# Allegro board Notecarrier-Pi PCB v4.brd
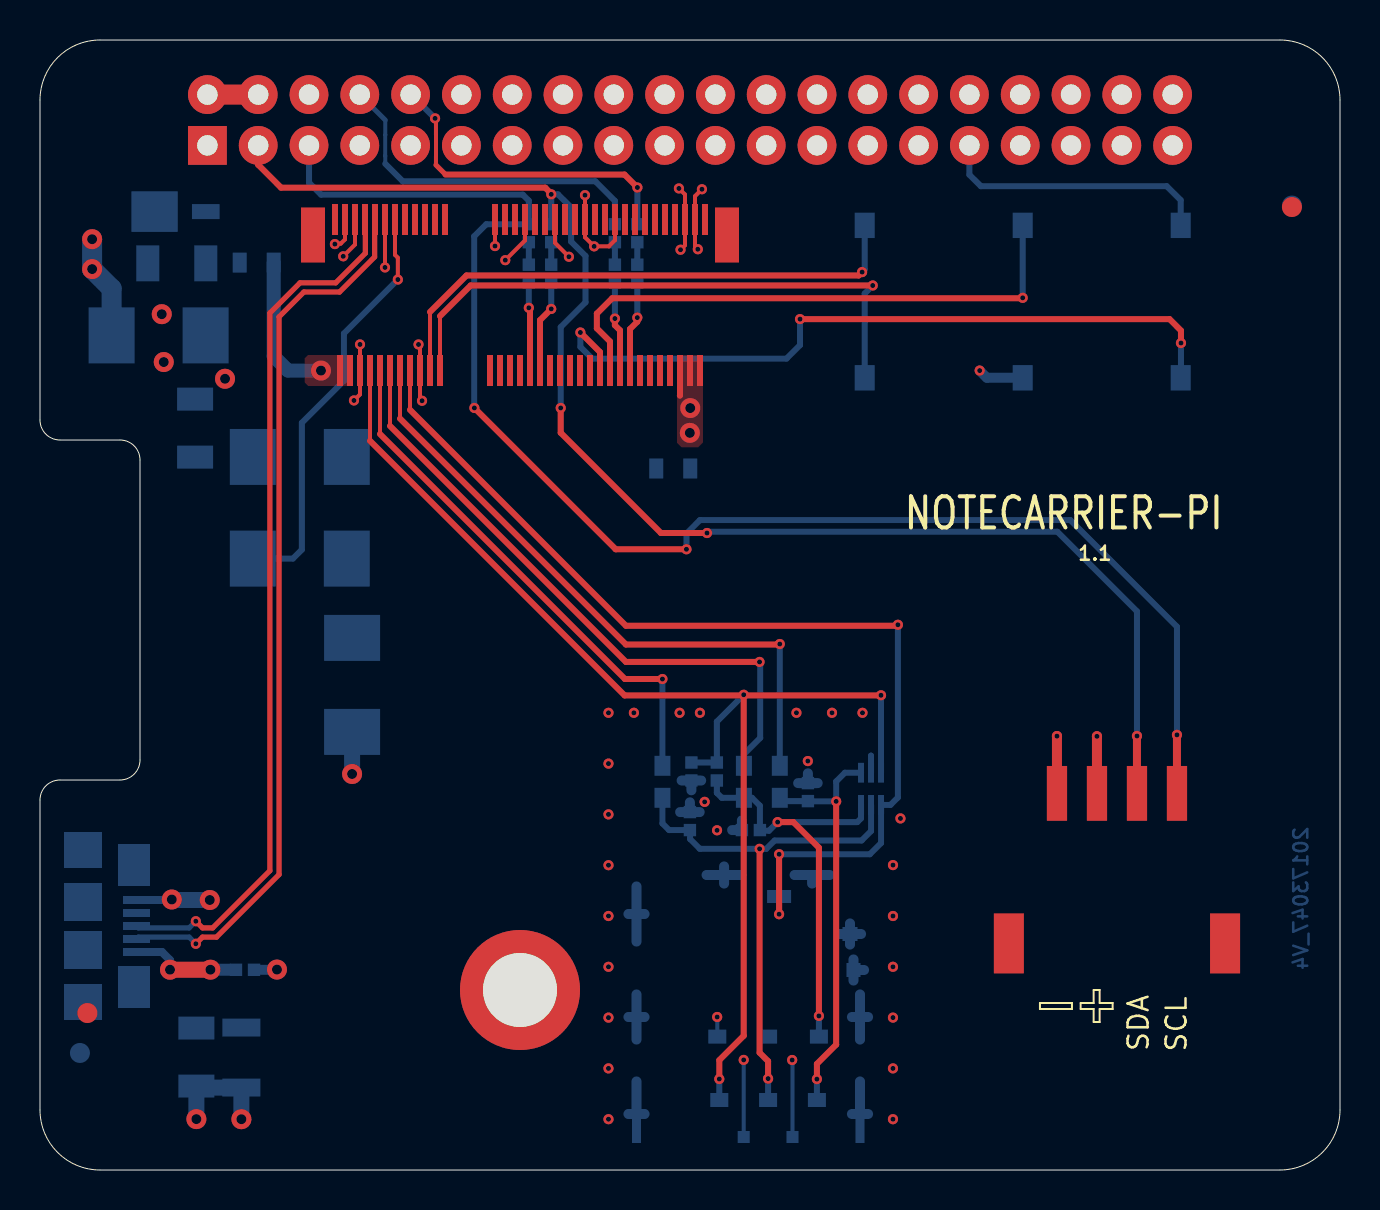
[diagram p0: board, top side]
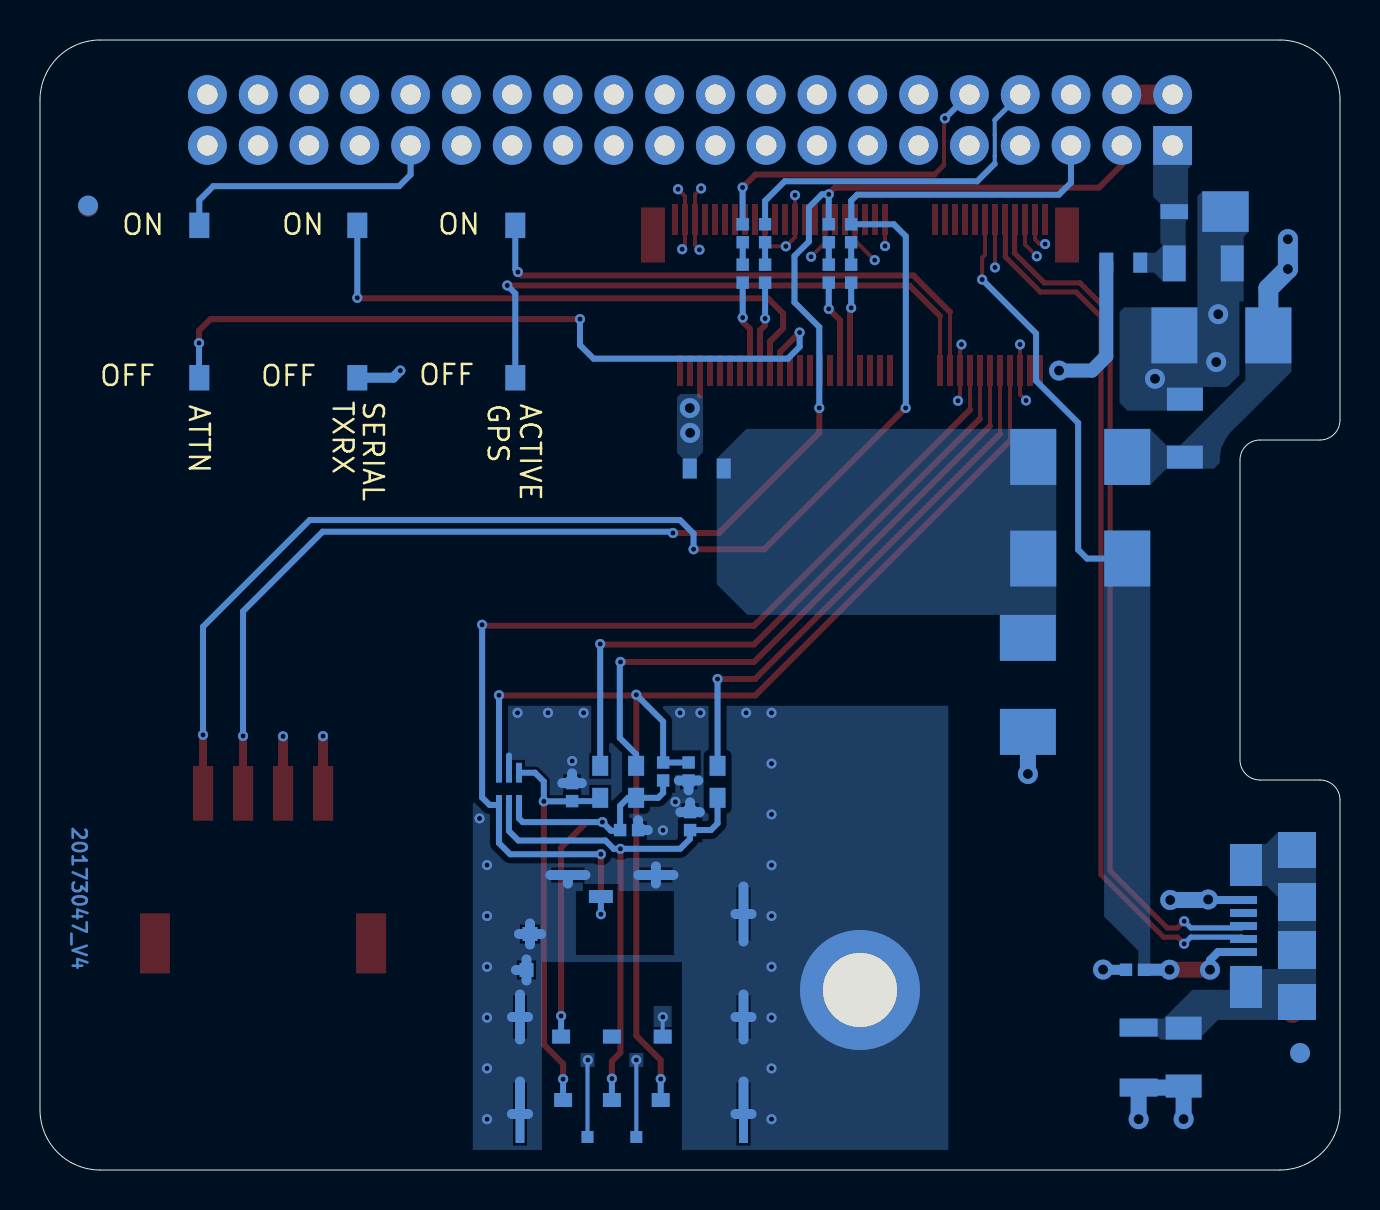
[diagram p1: board, bottom side, seen from below]

Outline 65 x 56.5 mm; copper layers: TOP, GND, POWER, BOTTOM. Coordinates in mm from the lower left corner of the outline.
Outline path: 0,53.5 arc(0.88,55.62) 3,56.5 62,56.5 arc(64.12,55.62) 65,53.5 65,3 arc(64.12,0.88) 62,0 3,0 arc(0.88,0.88) 0,3 0,18.5 arc(0.29,19.21) 1,19.5 4,19.5 arc(4.71,19.79) 5,20.5 5,35.5 arc(4.71,36.21) 4,36.5 1,36.5 arc(0.29,36.79) 0,37.5 0,53.5

## Design rules (mm)
constraint set DEFAULT: pair gap 0.2
net group USB_CON_EXT_90: nets USB_DM USB_DP
nets with their own width: min track width 0.3; nets GND V+ VIO VMODEM VMODEM_P VUSB

## Placement (name value [footprint] x y rotation side)
C1  22u/25V-X5R  [CS-C-1206]  6.79 45.33 180 bottom
C2  22u/25V-X5R  [CS-C-1206]  7.76 37.14 90 bottom
C3  100n/16V  [CS-C-0402]  32.57 19.92 270 bottom
C4  33p/50V-C0G  [CS-C-0402]  32.5 17.45 90 bottom
C5  33p/50V-C0G  [CS-C-0402]  38.4 18.89 90 bottom
C6  33p/50V-C0G  [CS-C-0402]  35.55 17 180 bottom
C7  100n/16V  [CS-C-0402]  10.25 10.01 0 bottom
C8  10n/1kV  [CS-C-1206]  7.82 5.6 270 bottom
DS1  STPS3H100U  [SMB]  15.34 30.57 180 bottom
DS2  STPS3H100U  [SMB]  15.34 35.65 180 bottom
DSW1  DIP-SW-CHS-01TB  [DSS-CHS-01TB]  41.24 43.42 0 bottom
DSW2  DIP-SW-CHS-01TB  [DSS-CHS-01TB]  49.14 43.42 0 bottom
DSW3  DIP-SW-CHS-01TB  [DSS-CHS-01TB]  57.04 43.42 0 bottom
F1  SF-0603F150-2  [FS-0603]  10.83 45.37 0 bottom
F2  3.5A/32V  [FS-0603]  31.66 35.07 0 bottom
FID1  TPS  [FIDUCIAL]  2 5.85 180 bottom
FID2  TPS  [FIDUCIAL]  62.6 48.22 180 bottom
FID3  TPS  [FIDUCIAL]  62.6 48.15 0 top
FID4  TPS  [FIDUCIAL]  2.37 7.85 0 top
J1  2223  [J-20X2-0254-FDT-SSQX03]  32.5 52.5 0 bottom
J2  NanoSIM - SF72S006VBAR2500  [J-NANOSIM-SF72S006VBA]  36.95 13.68 180 bottom
J3  MDT420E01001  [J-75-0050-MOS-M2-E]  24 42.25 0 top
J4  10118192-0002LF  [J-5-0065-FOS-USB10118192-NOF]  4.7 12.2 90 bottom
J5  GROVE  [J-4-0200-MOS-GROVE]  53.85 15.02 0 top
NOREF  -  []  14.19 29.17 90 top
NOREF#2  -  []  0.6 11.4 90 top
NOREF#3  -  []  2.43 43.13 0 top
NOREF#4  -  []  54.85 18.83 0 top
NOREF#5  -  []  40.41 14.5 90 top
NOREF#6  -  []  14.45 28.01 0 top
NOREF#7  -  []  24.13 44.68 0 top
NOREF#8  -  []  35.41 16.69 90 top
NOREF#9  -  []  29.87 44.37 90 top
NOREF#10  -  []  34.69 19.01 0 top
NOREF#11  -  []  44.31 1.35 90 top
NOREF#12  -  []  41.24 39.61 90 top
NOREF#13  -  []  44.31 1.35 90 top
NOREF#14  -  []  28.75 44.37 90 top
NOREF#15  -  []  32.81 17.59 90 top
NOREF#16  -  []  34.61 3.15 0 top
NOREF#17  -  []  15 39.98 0 top
NOREF#18  -  []  33.53 20.68 0 top
NOREF#19  -  []  29.56 46.7 0 top
NOREF#20  -  []  6.7 13 0 top
NOREF#21  -  []  30.18 44.06 90 top
NOREF#22  -  []  8.98 47.55 90 top
NOREF#23  -  []  32.69 1.35 90 top
NOREF#24  -  []  36.36 14 0 top
NOREF#25  -  []  14.75 47.52 0 top
NOREF#26  -  []  10.64 35.65 0 top
NOREF#27  -  []  24.44 46.39 90 top
NOREF#28  -  []  38.09 19.65 0 top
NOREF#29  -  []  8.37 51.23 90 top
NOREF#30  -  []  5.39 45.33 0 top
NOREF#31  -  []  7.6 48.3 0 top
NOREF#32  -  []  9.62 5.07 0 top
NOREF#33  -  []  37.49 18.21 90 top
NOREF#34  -  []  25.87 44.06 90 top
NOREF#35  -  []  50.34 17.46 90 top
NOREF#36  -  []  9.62 6.17 90 top
NOREF#37  -  []  16.85 39.2 0 top
NOREF#38  -  []  7.72 44.43 0 top
NOREF#39  -  []  45 3 90 top
NOREF#40  -  []  44.31 1.35 90 top
NOREF#41  -  []  56.54 46.6 90 top
NOREF#42  -  []  29.83 12.8 0 top
NOREF#43  -  []  56.12 51.24 0 top
NOREF#44  -  []  35.19 1.65 0 top
NOREF#45  -  []  40.74 46.6 90 top
NOREF#46  -  []  24 9 0 top
NOREF#47  -  []  24 9 0 top
NOREF#48  -  []  36.41 3.5 0 top
NOREF#49  -  []  13.65 46.75 0 top
NOREF#50  -  []  34.95 45.38 90 top
NOREF#51  -  []  33.03 11.45 90 top
NOREF#52  -  []  42.2 17.76 90 top
NOREF#53  -  []  60.14 3.53 0 top
NOREF#54  -  []  5.8 13 0 top
NOREF#55  -  []  62.54 51.64 0 top
NOREF#56  -  []  24.13 46.7 0 top
NOREF#57  -  []  0 3 0 top
NOREF#58  -  []  32.69 1.35 0 top
NOREF#59  -  []  38.42 1.35 0 top
NOREF#60  -  []  4.57 46.91 0 top
NOREF#61  -  []  14 42.25 0 top
NOREF#62  -  []  0 8.7 90 top
NOREF#63  -  []  0.41 1.48 0 top
NOREF#64  -  []  34.61 15 0 top
NOREF#65  -  []  7.18 34.74 0 top
NOREF#66  -  []  8.37 51.23 90 top
NOREF#67  -  []  33.97 3.5 0 top
NOREF#68  -  []  0 3 0 top
NOREF#69  -  []  24.75 46.08 90 top
NOREF#70  -  []  39.02 1.35 90 top
NOREF#71  -  []  15.6 21.91 90 top
NOREF#72  -  []  2.14 52.53 0 top
NOREF#73  -  []  9.4 8.2 90 top
NOREF#74  -  []  62 0 90 top
NOREF#75  -  []  35.1 17 0 top
NOREF#76  -  []  0 18.5 0 top
NOREF#77  -  []  29.87 46.39 90 top
NOREF#78  -  []  4.57 46.91 90 top
NOREF#79  -  []  -105.3 -116.94 0 top
NOREF#80  -  []  32.5 17 90 top
NOREF#81  -  []  32.88 19.16 90 top
NOREF#82  -  []  29.83 12.8 0 top
NOREF#83  -  []  39 15 0 top
NOREF#84  -  []  14.45 25.21 90 top
NOREF#85  -  []  7.76 35.64 90 top
NOREF#86  -  []  49.14 39.61 90 top
NOREF#87  -  []  25.25 44.68 0 top
NOREF#88  -  []  44.31 1.35 90 top
NOREF#89  -  []  0 53.5 0 top
NOREF#90  -  []  25.56 44.37 90 top
NOREF#91  -  []  5.97 44.43 90 top
NOREF#92  -  []  33.75 48.12 0 top
NOREF#93  -  []  24.44 44.37 90 top
NOREF#94  -  []  30.46 34.57 0 top
NOREF#95  -  []  60 9.83 90 top
NOREF#96  -  []  29.83 12.8 0 top
NOREF#97  -  []  32.69 1.35 90 top
NOREF#98  -  []  25.56 46.39 90 top
NOREF#99  -  []  10.39 10.32 0 top
NOREF#100  -  []  28.44 44.68 0 top
NOREF#101  -  []  32.88 10.35 0 top
NOREF#102  -  []  -50 0 0 top
NOREF#103  -  []  15 39.98 90 top
NOREF#104  -  []  30.18 46.08 90 top
NOREF#105  -  []  44 18.98 0 top
NOREF#106  -  []  32.19 18.21 0 top
NOREF#107  -  []  0 18.5 0 top
NOREF#108  -  []  14 42.25 90 top
NOREF#109  -  []  3.58 41.73 0 top
NOREF#110  -  []  47.69 9.83 0 top
NOREF#111  -  []  31.62 18.21 90 top
NOREF#112  -  []  4.73 36.18 0 top
NOREF#113  -  []  15 39.98 0 top
NOREF#114  -  []  61.5 52.5 0 top
NOREF#115  -  []  36.36 13.35 90 top
NOREF#116  -  []  1 19.5 90 top
NOREF#117  -  []  32.69 1.35 90 top
NOREF#118  -  []  32.57 19.47 90 top
NOREF#119  -  []  29.56 44.68 0 top
NOREF#120  -  []  31.16 35.57 0 top
NOREF#121  -  []  31.6 48.3 0 top
NOREF#122  -  []  7.24 6.2 0 top
NOREF#123  -  []  45 3 90 top
NOREF#124  -  []  -55.64 42 0 top
NOREF#125  -  []  0 8.7 0 top
NOREF#126  -  []  34 41.45 90 top
NOREF#127  -  []  44.31 1.35 90 top
NOREF#128  -  []  62 0 90 top
NOREF#129  -  []  -60.01 50.91 0 top
NOREF#130  -  []  28.44 46.7 0 top
NOREF#131  -  []  2.14 3.53 0 top
NOREF#132  -  []  40.9 17.76 90 top
NOREF#133  -  []  11.01 9.7 90 top
NOREF#134  -  []  31.12 18.61 90 top
NOREF#135  -  []  30.62 19.01 0 top
NOREF#136  -  []  8.37 51.23 0 top
NOREF#137  -  []  -50 0 0 top
NOREF#138  -  []  2.55 8.7 0 top
NOREF#139  -  []  14 41.7 90 top
NOREF#140  -  []  29.83 2.8 0 top
NOREF#141  -  []  32.69 1.35 90 top
NOREF#142  -  []  14.85 39.2 90 top
NOREF#143  -  []  25.25 46.7 0 top
NOREF#144  -  []  2.15 16 90 top
NOREF#145  -  []  57.04 39.61 90 top
NOREF#146  -  []  0 3 0 top
NOREF#147  -  []  41.05 18.25 0 top
NOREF#148  -  []  34.15 20.06 90 top
NOREF#149  -  []  8.33 37.64 90 top
NOREF#150  -  []  3 0 90 top
NOREF#151  -  []  49.01 53.77 0 top
NOREF#152  -  []  14.19 34.25 90 top
NOREF#153  -  []  33.84 19.47 90 top
NOREF#154  -  []  60.14 52.53 0 top
NOREF#155  -  []  0 8.7 0 top
NOREF#156  -  []  24 39.98 0 top
NOREF#157  -  []  4.83 10.9 90 top
NOREF#158  -  []  44.31 6.7 90 top
NOREF#159  -  []  6.89 46.91 0 top
NOREF#160  -  []  35.19 18.61 90 top
NOREF#161  -  []  44.31 11.6 90 top
NOREF#162  -  []  38.71 19.03 90 top
NOREF#163  -  []  21 9 0 top
NOREF#164  -  []  38.4 18.44 90 top
NOREF#165  -  []  4.45 8.7 0 top
NOREF#166  -  []  36.99 18.61 90 top
NOREF#167  -  []  34.79 17.31 0 top
NOREF#168  -  []  29.83 12.8 0 top
NOREF#169  -  []  62 0 90 top
NOREF#170  -  []  14.19 37.05 0 top
NOREF#171  -  []  0.98 55.72 0 top
NOREF#172  -  []  14.6 46.75 90 top
NOREF#173  -  []  32.69 6.7 90 top
NOREF#174  -  []  40.9 19.37 0 top
NOREF#175  -  []  61.5 52.5 90 top
NOREF#176  -  []  32.69 1.35 90 top
NOREF#177  -  []  25.87 46.08 90 top
NOREF#178  -  []  24 9 90 top
NOREF#179  -  []  33.86 6.67 0 top
NOREF#180  -  []  44.31 1.35 90 top
NOREF#181  -  []  0.22 36.88 0 top
NOREF#182  -  []  14.19 31.97 0 top
NOREF#183  -  []  10.07 4.12 90 top
NOREF#184  -  []  0.32 36.77 0 top
NOREF#185  -  []  4.76 36.15 0 top
NOREF#186  -  []  44 18.96 0 top
NOREF#187  -  []  10.64 30.57 0 top
NOREF#188  -  []  8.39 3.3 90 top
NOREF#189  -  []  29.25 47.52 0 top
NOREF#190  -  []  -51.54 0 0 top
NOREF#191  -  []  7.82 4.2 90 top
NOREF#192  -  []  2.43 40.33 90 top
NOREF#193  -  []  19.5 39.98 0 top
NOREF#194  -  []  49.19 12.83 90 top
NOREF#195  -  []  9.8 10.01 0 top
NOREF#196  -  []  29.06 46.08 90 top
NOREF#197  -  []  14 42.25 90 top
NOREF#198  -  []  49.19 12.83 0 top
NOREF#199  -  []  62 0 90 top
NOREF#200  -  []  22.15 9 0 top
NOREF#201  -  []  62 0 90 top
NOREF#202  -  []  0 18.5 90 top
NOREF#203  -  []  3.5 52.5 90 top
NOREF#204  -  []  9.63 44.87 0 top
NOREF#205  -  []  48.64 40.25 0 top
NOREF#206  -  []  56.54 40.25 0 top
NOREF#207  -  []  61.5 3.5 0 top
NOREF#208  -  []  32.26 19.78 0 top
NOREF#209  -  []  14.75 47.52 0 top
NOREF#210  -  []  12.03 44.87 90 top
NOREF#211  -  []  40.5 6.32 90 top
NOREF#212  -  []  36.49 19.01 0 top
NOREF#213  -  []  36.41 3.5 0 top
NOREF#214  -  []  32.86 34.57 90 top
NOREF#215  -  []  3.2 11.65 90 top
NOREF#216  -  []  24.75 44.06 90 top
NOREF#217  -  []  29.83 12.8 0 top
NOREF#218  -  []  52.34 20.2 0 top
NOREF#219  -  []  40.74 40.25 0 top
NOREF#220  -  []  43.86 1.35 0 top
NOREF#221  -  []  48.64 46.6 90 top
NOREF#222  -  []  10.33 45.87 0 top
NOREF#223  -  []  33.03 12.15 0 top
NOREF#224  -  []  28.75 46.39 90 top
NOREF#225  -  []  0 53.5 0 top
NOREF#226  -  []  29.06 44.06 90 top
NOREF#227  -  []  35.69 18.21 90 top
NOREF#228  -  [unnamed#2]  61.5 52.5 180 bottom
NOREF#229  -  [unnamed#2]  3.5 3.5 180 bottom
NOREF#230  -  [unnamed#2]  3.5 52.5 180 bottom
NOREF#231  -  [unnamed#2]  61.5 3.5 180 bottom
OBJ1  9774025151R  [DIST-WASMSIM0250]  24 9 270 top
R1  22R  [RS-0603]  35.19 19.41 270 bottom
R2  22R  [RS-0603]  31.12 19.41 270 bottom
R3  22R  [RS-0603]  36.99 19.41 270 bottom
R4  15k  [RS-0402]  33.84 19.92 90 bottom
R5  1M  [RS-1206]  10.07 5.62 270 bottom
R6  100R  [RS-0402]  24.44 46.84 270 bottom
R7  100R  [RS-0402]  24.44 44.82 270 bottom
R8  100R  [RS-0402]  25.56 46.84 270 bottom
R9  100R  [RS-0402]  25.56 44.82 270 bottom
R10  100R  [RS-0402]  28.75 46.84 270 bottom
R11  100R  [RS-0402]  28.75 44.82 270 bottom
R12  100R  [RS-0402]  29.87 46.84 270 bottom
R13  100R  [RS-0402]  29.87 44.82 270 bottom
TVS1  SM6T6V8A  [SMB]  15.6 26.61 270 bottom
TVS2  SM2T3V3A  [D-DO216AA]  5.73 47.92 0 bottom
TVS3  SM6T6V8A  [SMB]  3.58 41.73 0 bottom
TVS4  ESDLC5V0M5-TP  [SOT666]  41.55 19.06 0 bottom

## Library data of the parts
C1 C2 = CS-C-1206-22u/25V-X5R
C3 = CS-C-0402-100n/16V: room: NANO-SIM
C4-C6 = CS-C-0402-33p/50V-C0G: room: NANO-SIM
C7 = CS-C-0402-100n/16V: room: USB
C8 = CS-C-1206-10n/1kV: room: USB
DS1 = SCHOTTKY-STPS3H100U - 3A/100V: room: USB POWER PROTECTION
DS2 = SCHOTTKY-STPS3H100U - 3A/100V: room: POWER PROTECTION
DSW1-DSW3 = DIP-SW-1x-CHS-01TB-SMD
F1 = RAPIDO - SF-0603F150-2-1.5A/32V: room: M2 CONNECTOR
F2 = RAPIDO - 0603SFV350F- 3.5A/32V: room: M2 CONNECTOR
FID1-FID4 = FIDUCIAL
J1 = STRIP-J-20X2-0254-FDT - 2223
J2 = NANOSIM - J-NANOSIM-SF72S006VBA: room: NANO-SIM
J3 = AMPHENOL-75 - M-2 KEY E_13: room: M2 CONNECTOR
J4 = USB - uUSB-B-10118192-0002LF
J5 = GROVE - J-4-0200-MOS-GROVE
OBJ1 = DISTANZIALE - M2.5x0250
R1-R3 = RS-0603-22r: room: NANO-SIM
R4 = RS-0402-15k: room: NANO-SIM
R5 = RS-1206-1M: room: USB
R6-R13 = RS-0402-100r: room: PROTECTION NET
TVS1 = TVS-UNI - SM6T6V8A - 6.8V/600W: room: POWER PROTECTION
TVS2 = TVS-UNI - SM2T3V3A - 3.6V/200W
TVS3 = TVS-UNI - SM6T6V8A - 6.8V/600W
TVS4 = TVS-UNI5x - ESDLC5V0M5-TP - 5V: room: NANO-SIM

## Footprints (pads in the part's own frame, mm; a bottom-side part is the same pattern mirrored in y, then rotated)
CS-C-0402
  rect 0.62x0.62 smd: 1(-0.45,0) 2(0.45,0)
CS-C-1206
  rect 1.15x1.8 smd: 1(-1.5,0) 2(1.4,0)
D-DO216AA
  rect 1.38x0.75 smd: 1(2.56,0)
  rect 2.32x2.03 smd: 2(0,0)
DIST-WASMSIM0250
  round 6 hole 3.7: 1(0,0)
DSS-CHS-01TB
  rect 1x1.27 smd: 1(0,3.81) 2(0,-3.81)
FIDUCIAL
  round 1 smd: 1(0,0)
FS-0603
  rect 0.7x1 smd: 1(-0.85,0) 2(0.85,0)
J-4-0200-MOS-GROVE
  rect 1.5x3 smd: (-5.405,-3.685) (5.405,-3.685)
  rect 1.01x2.74 smd: 1(3,3.815) 2(1,3.815) 3(-1,3.815) 4(-3,3.815)
J-5-0065-FOS-USB10118192-NOF
  rect 0.4x1.35 smd: 1(-1.3,0.125) 2(-0.65,0.125) 3(0,0.125) 4(0.65,0.125) 5(1.3,0.125)
  rect 2.1x1.6 smd: 6(-3.05,0) 7(3.05,0)
  rect 1.9x1.9 smd: 8(-1.2,-2.55) 9(1.2,-2.55)
  rect 1.8x1.9 smd: 10(-3.8,-2.55) 11(3.8,-2.55)
J-20X2-0254-FDT-SSQX03
  rect 1.94x1.94 hole 1.02: 1(-24.13,1.27)
  round 1.94 hole 1.02: 2(-24.13,-1.27) 3(-21.59,1.27) 4(-21.59,-1.27) 5(-19.05,1.27) 6(-19.05,-1.27) 7(-16.51,1.27) 8(-16.51,-1.27) 9(-13.97,1.27) 10(-13.97,-1.27) 11(-11.43,1.27) 12(-11.43,-1.27) 13(-8.89,1.27) 14(-8.89,-1.27) 15(-6.35,1.27) 16(-6.35,-1.27) 17(-3.81,1.27) 18(-3.81,-1.27) 19(-1.27,1.27) 20(-1.27,-1.27) 21(1.27,1.27) 22(1.27,-1.27) 23(3.81,1.27) 24(3.81,-1.27) 25(6.35,1.27) 26(6.35,-1.27) 27(8.89,1.27) 28(8.89,-1.27) 29(11.43,1.27) 30(11.43,-1.27) 31(13.97,1.27) 32(13.97,-1.27) 33(16.51,1.27) 34(16.51,-1.27) 35(19.05,1.27) 36(19.05,-1.27) 37(21.59,1.27) 38(21.59,-1.27) 39(24.13,1.27) 40(24.13,-1.27)
J-75-0050-MOS-M2-E
  rect 1.2x2.75 smd: (-10.35,4.5) (10.35,4.5)
  round 0 hole 1.1 unplated: (-10,0)
  round 0 hole 1.6 unplated: (10,0)
  rect 0.3x1.55 smd: 1(-9.25,5.275) 2(-9,-2.275) 3(-8.75,5.275) 4(-8.5,-2.275) 5(-8.25,5.275) 6(-8,-2.275) 7(-7.75,5.275) 8(-7.5,-2.275) 9(-7.25,5.275) 10(-7,-2.275) 11(-6.75,5.275) 12(-6.5,-2.275) 13(-6.25,5.275) 14(-6,-2.275) 15(-5.75,5.275) 16(-5.5,-2.275) 17(-5.25,5.275) 18(-5,-2.275) 19(-4.75,5.275) 20(-4.5,-2.275) 21(-4.25,5.275) 22(-4,-2.275) 23(-3.75,5.275) 32(-1.5,-2.275) 33(-1.25,5.275) 34(-1,-2.275) 35(-0.75,5.275) 36(-0.5,-2.275) 37(-0.25,5.275) 38(0,-2.275) 39(0.25,5.275) 40(0.5,-2.275) 41(0.75,5.275) 42(1,-2.275) 43(1.25,5.275) 44(1.5,-2.275) 45(1.75,5.275) 46(2,-2.275) 47(2.25,5.275) 48(2.5,-2.275) 49(2.75,5.275) 50(3,-2.275) 51(3.25,5.275) 52(3.5,-2.275) 53(3.75,5.275) 54(4,-2.275) 55(4.25,5.275) 56(4.5,-2.275) 57(4.75,5.275) 58(5,-2.275) 59(5.25,5.275) 60(5.5,-2.275) 61(5.75,5.275) 62(6,-2.275) 63(6.25,5.275) 64(6.5,-2.275) 65(6.75,5.275) 66(7,-2.275) 67(7.25,5.275) 68(7.5,-2.275) 69(7.75,5.275) 70(8,-2.275) 71(8.25,5.275) 72(8.5,-2.275) 73(8.75,5.275) 74(9,-2.275) 75(9.25,5.275)
J-NANOSIM-SF72S006VBA
  rect 0.9x0.7 smd: 1(2.99,-10.175) 2(0.55,-10.175) 3(-1.89,-10.175) 5(3.09,-7.005) 6(0.55,-7.005) 7(-1.99,-7.005)
  rect 0.45x2.9 smd: 8(-4.045,-10.875) 17(7.13,-10.875)
  rect 0.45x1.9 smd: 9(-4.045,-6.025) 16(7.13,-6.025)
  rect 0.7x0.7 smd: 10(-3.72,-3.675)
  rect 0.75x0.7 smd: 11(-3.545,-1.875)
  rect 1.4x0.5 smd: 12(-1.65,1.075) 14(2.75,1.075)
  rect 1.2x0.65 smd: 13(0,0)
  rect 0.45x2.4 smd: 15(7.13,-0.875)
  rect 0.6x0.6 smd: 18(1.77,-12.025) 19(-0.67,-12.025)
RS-0402
  rect 0.62x0.62 smd: 1(-0.45,0) 2(0.45,0)
RS-0603
  rect 1x0.8 smd: 1(-0.8,0) 2(0.8,0)
RS-1206
  rect 0.9x1.9 smd: 1(-1.5,0) 2(1.5,0)
SMB
  rect 2.3x2.8 smd: 1(0,0) 2(4.7,0)
SOT666
  rect 0.3x0.99 smd: 1(-0.5,-0.805) 2(0,-0.805) 3(0.5,-0.805) 4(0.5,0.805) 5(0,0.805) 6(-0.5,0.805)
unnamed#2
  round 0 hole 2.7 unplated: (0,0)

## Nets
GND: C1.2 C2.2 C3.2 C4.2 C5.2 C6.2 C7.2 C8.2 J1.6 J1.9 J1.14 J1.20 J1.25 J1.30 J1.34 J1.39 J2.5 J2.8 J2.9 J2.10 J2.11 J2.12 J2.14 J2.15 J2.16 J2.17 J2.18 J2.19 J3.3 J3.5 J3.6 J3.11 J3.18 J3.33 J3.39 J3.45 J3.51 J3.57 J3.71 J3.73 J4.5 J5.4 OBJ1.1 R5.2 TVS1.2 TVS2.2 TVS3.2 TVS4.2
ATTN: DSW3.2 J1.31
AUX_EN: DSW2.2 J3.56
AUX_RX: J1.8 R10.1
AUX_RX_P: J3.58 R11.2
AUX_TX: J1.10 R12.1
AUX_TX_P: J3.60 R13.2
SCL: J1.5 J5.1 R6.1
SDA: J1.3 J5.2 R8.1
SIM_CLK: J3.14 R3.1
SIM_IO: J3.12 R1.1
SIM_NPRESENT: J2.13 J3.16 TVS4.4
SIM_RST: J3.10 R2.1
SIM_VCC: C3.1 J2.1 J3.8 R4.2 TVS4.3
USB_DM: J3.9 J4.2
USB_DP: J3.7 J4.3
USB_SHIELD: C8.1 J4.6 J4.7 J4.8 J4.9 J4.10 J4.11 R5.1
V+: C2.1 DS2.2 J1.2 J1.4 TVS3.1(C)
VACT_GPS_OUT: DSW1.2 J3.20
VIO: C1.1 F1.1 J1.1 TVS2.1(C)
VIO_P: DSW2.1 F1.2 J3.2 J3.4 J5.3
VMODEM: DS1.1(C) DS2.1(C) F2.1 TVS1.1(C)
VMODEM_P: F2.2 J3.70 J3.72 J3.74
VUSB: C7.1 DS1.2 J3.13(VUSB) J4.1(VCC)
N16884949: J3.42 R9.2
N16884961: J3.40 R7.2
N16931657: R12.2 R13.1
N16931659: R10.2 R11.1
N16931665: R8.2 R9.1
N16931667: R6.2 R7.1
N17053809: C6.1 J2.7 R1.2 R4.1 TVS4.6(C6)
N17053813: C4.1 J2.2 R2.2 TVS4.5
N17053836: C5.1 J2.3 R3.2 TVS4.1
N17074702: DSW1.1 J3.22
N17100401: DSW3.1 J3.54

Pads without a net: FID1 1; FID2 1; FID3 1; FID4 1; J1 7 11 12 13 15 16 17 18 19 21 22 23 24 26 27 28 29 32 33 35 36 37 38 40; J2 6; J3 1 15 17 19 21 23 32 34 35 36 37 38 41 43 44 46 47 48 49 50 52 53 55 59 61 62 63 64 65 66 67 68 69 75; J4 4

## Via types
v1: diameter 0.508, hole 0.254, TOP to BOTTOM, 84 vias
v2: diameter 1, hole 0.5, TOP to BOTTOM, 16 vias

## Routing (per net, layer and track width the routed paths; a pad name or vN(x,y) marks a point on that pad's centre or on a via; arc(x,y) is an arc through that point)
GND: length 82.6
  TOP w0.2: J3.57 28.75,46.49 28.44,46.18 v1(27.71,46.18) 27.7,46.18 27.25,46.64 J3.51 v1(27.25,48.74) ; v1(33.1,49.04) 32.75,48.69 J3.73 32.75,46.18 v1(32.89,46.04) ; v1(23.26,45.49) 24.25,46.48 J3.39 ; v1(18.93,41.28) 19,41.2 J3.18 19,38.56 v1(19.1,38.46) ; v1(16,41.28) J3.6 16,38.78 v1(15.7,38.48) ; v1(15.16,45.68) 15.75,46.27 J3.5 ; v1(32.03,46.01) 32.25,46.24 J3.71 32.25,48.77 v1(31.95,49.08) ; J3.45 25.75,46.36 v1(26.45,45.66) ; J3.33 v1(22.75,46.2) ; J3.3 15.25,46.53 15.04,46.32 14.76,46.32 14.74,46.33 v1(14.74,46.3) ; J3.11 v1(17.25,45.13)
  TOP w0.5: J5.4 v1(50.85,21.69)
  BOTTOM w0.2: v1(33.86,7.65) 33.86,7.64 J2.5 ; J2.18 v1(35.19,5.5) ; J2.19 37.62,5.48 v1(37.61,5.5)
  BOTTOM w0.3: 41.55,20.72 41.55,20.72 TVS4.2
  BOTTOM w0.4: J4.5 6.59,13.5 v2(6.59,13.52)
  BOTTOM w0.5: J2.14 34.2,15.18 ; J2.14 34.2,14.32 ; J2.14 35.08,14.75 ; J2.14 33.33,14.75 ; 37.91,19.34 C5.2 ; C5.2 38.4,19.83 ; C5.2 38.88,19.34 ; J2.11 41.05,11.8 ; J2.11 39.95,11.8 ; J2.11 40.5,11.27 ; J2.11 40.5,12.33 ; 40.67,10 40.67,10.53 ; 40.67,10 40.67,9.47 ; 40.67,10 41.2,10 ; 35.1,17.48 C6.2 34.61,17 ; J2.17 29.83,4.43 ; J2.17 30.23,2.8 ; J2.17 29.42,2.8 ; C4.2 32.98,17.9 ; C4.2 32.01,17.9 ; C4.2 32.5,18.38 ; J2.9 41.4,7.65 ; J2.9 41,6.52 ; J2.9 40.6,7.65 ; J2.9 41,8.78 ; 29.83,6.52 J2.16 ; J2.16 29.42,7.65 ; J2.16 30.23,7.65 ; J2.16 29.83,8.78 ; 29.83,11.42 J2.15 ; J2.15 30.23,12.8 ; J2.15 29.83,14.18 ; J2.15 29.42,12.8 ; J2.8 41.4,2.8 ; J2.8 41,4.43 ; J2.8 40.6,2.8 ; 32.08,19.47 C3.2 ; C3.2 32.57,18.99 ; C3.2 33.06,19.47 ; 38.61,14.32 J2.12 ; J2.12 39.48,14.75 ; J2.12 37.73,14.75 ; v2(11.85,10.02) 11.84,10.01 C7.2
  BOTTOM w0.8: TVS1.2 v2(15.6,19.8) ; v2(10.07,2.54) R5.2 7.89,4.12 C8.2 v2(7.82,2.54) ; 6.59,13.5 v2(8.49,13.5)
  vias: v1(28.42,22.86) v1(28.42,20.32) v1(28.42,17.78) v1(28.42,15.24) v1(28.42,12.7) v1(28.42,10.16) v1(28.42,7.62) v1(28.42,5.08) v1(28.42,2.54) v1(29.69,22.86) v1(31.98,22.86) v1(33,22.86) v1(33.23,18.41) v1(33.85,16.98) v1(37.82,22.86) v1(38.39,20.45) v1(39.6,22.86) v1(41.12,22.86) v1(42.65,15.25) v1(42.65,12.7) v1(42.65,10.16) v1(42.65,7.62) v1(42.65,5.08) v1(42.65,2.54) v1(43.02,17.58) v2(6.09,42.79) v2(6.19,40.4) v2(9.25,39.56)
ATTN: length 13.8
  BOTTOM w0.3: J1.31 46.47,49.77 47.04,49.19 56.34,49.19 57.04,48.49 DSW3.2
AUX_EN: length 28.4
  TOP w0.3: J3.56 28.5,41.43 27.84,42.08 27.84,42.82 28.61,43.59 49.11,43.59 v1(49.14,43.61)
  BOTTOM w0.3: v1(49.14,43.61) DSW2.2
AUX_RX: length 17.4
  BOTTOM w0.2: 17.26,52.5 17.26,51.76 17.26,51.76 17.26,50.7 17.26,50.7 17.26,50.31
  BOTTOM w0.25: 17.26,52.5 J1.8
  BOTTOM w0.3: 17.26,50.31 18.14,49.44 27.77,49.44 28.75,48.46 R10.1
AUX_RX_P: length 4.5
  TOP w0.3: v1(28.75,42.57) 28.75,42.24 29,41.98 J3.58
  BOTTOM w0.3: v1(28.75,42.57) R11.2
AUX_TX: length 16.4
  TOP w0.2: 19.8,50.25 19.8,50.7 19.8,50.7 19.8,51.76 19.8,51.76 19.8,52.54
  TOP w0.25: v1(19.75,52.58) 19.8,52.54 ; 19.8,50.25 20.28,49.77
  TOP w0.3: v1(29.87,49.13) 29.23,49.77 20.28,49.77
  BOTTOM w0.3: v1(19.75,52.58) 18.57,53.77 J1.10 ; v1(29.87,49.13) 29.87,47.29 R12.1
AUX_TX_P: length 4.5
  TOP w0.3: J3.60 29.5,42.05 29.87,42.41 v1(29.87,42.62)
  BOTTOM w0.3: v1(29.87,42.62) R13.2
SCL: length 75.6
  TOP w0.3: v1(32.32,31.04) 28.79,31.04 v1(21.72,38.1)
  TOP w0.4: J5.1 v1(56.85,21.76)
  BOTTOM w0.3: v1(21.72,38.1) 21.71,38.11 21.71,46.68 22.31,47.29 R6.1 24.44,48.47 24.14,48.77 14.05,48.77 13.45,49.37 13.45,51.23 J1.5 ; v1(32.32,31.04) 32.32,31.82 33,32.5 51.52,32.5 56.85,27.16 v1(56.85,21.76)
SDA: length 72.8
  TOP w0.3: v1(26.04,38.1) 26.04,36.86 31.05,31.85 v1(33.35,31.85) ; v1(25.56,48.78) 25.56,48.82 25.26,49.12 12.05,49.12 10.91,50.26 J1.3
  TOP w0.4: J5.2 v1(54.85,21.7)
  BOTTOM w0.3: v1(33.35,31.85) 33.42,31.91 50.87,31.91 54.85,27.93 v1(54.85,21.7) ; R8.1 v1(25.56,48.78) 25.9,48.78 26.55,48.13 26.55,46.42 27.28,45.7 27.28,43.38 26.04,42.14 v1(26.04,38.1)
SIM_CLK: length 32.2
  TOP w0.2: J3.14 18,37.57
  TOP w0.3: 18,37.57 29.3,26.27 36.96,26.27 v1(36.99,26.3)
  BOTTOM w0.3: R3.1 v1(36.99,26.3)
SIM_IO: length 31.7
  TOP w0.2: J3.12 17.5,37.2
  TOP w0.3: v1(35.98,25.4) 29.3,25.4 17.5,37.2
  BOTTOM w0.3: v1(35.98,25.4) 36.01,25.37 36.01,21.6 35.19,20.79 R1.1
SIM_NPRESENT: length 51.6
  TOP w0.2: J3.16 18.5,38.01
  TOP w0.3: v1(42.89,27.26) 42.84,27.21 29.3,27.21 18.5,38.01 ; v1(36.95,12.79) v1(36.95,15.79)
  BOTTOM w0.3: J2.13 v1(36.95,12.79) ; v1(42.89,27.26) 42.89,18.63 42.52,18.25 TVS4.4 42.05,18.25 42.05,16.35 41.49,15.79 v1(36.95,15.79)
SIM_RST: length 26.7
  TOP w0.2: J3.10 17,36.8
  TOP w0.3: 17,36.8 29.25,24.55 v1(31.12,24.55)
  BOTTOM w0.3: R2.1 v1(31.12,24.55)
SIM_VCC: length 64.2
  TOP w0.2: J3.8 16.5,36.46
  TOP w0.3: v1(35.19,23.76) 35.15,23.73 29.23,23.73 16.5,36.46 ; v1(35.19,23.76) 35.22,23.73 42.04,23.73 v1(42.05,23.74) ; v1(35.19,23.76) 35.19,6.71 33.97,5.49 v1(33.97,4.55)
  BOTTOM w0.3: TVS4.3 v1(42.05,23.74) ; C3.1 R4.2 33.84,22.42 v1(35.19,23.76) ; J2.1 v1(33.97,4.55)
USB_DM: length 44.5
  TOP w0.26: v1(7.79,11.31) 8.13,11.64 8.83,11.64 11.95,14.77 11.95,42.66 13.19,43.9 14.98,43.9 16.73,45.65 16.73,47.51 J3.9
  BOTTOM w0.26: J4.2 4.92,11.64 7.46,11.64 v1(7.79,11.31)
USB_DP: length 43.8
  TOP w0.26: v1(7.79,12.44) 8.13,12.11 8.64,12.11 11.49,14.96 11.49,42.85 13,44.36 14.79,44.36 16.27,45.84 16.27,47.51 J3.7
  BOTTOM w0.26: v1(7.79,12.44) 7.46,12.11 4.92,12.11 J4.3
V+: length 18
  TOP w1: J1.4 J1.2
  POWER w1.2: v2(2.61,46.54) 6.08,50.02 6.08,52.57 7.28,53.77 J1.2
  BOTTOM w1: v2(2.61,46.54) v2(2.61,45.05) 3.58,44.07 TVS3.1
VACT_GPS_OUT: length 27.7
  TOP w0.2: 19.5,42.9 J3.20
  TOP w0.3: v1(41.1,44.9) 40.94,44.73 21.33,44.73 19.5,42.9
  BOTTOM w0.3: v1(41.1,44.9) 41.24,45.03 DSW1.2
VIO_P: length 67.9
  TOP w0.3: 14.03,39.99 v2(14.05,39.97)
  TOP w0.5: v1(52.85,21.68) J5.3
  POWER w0.4: v1(52.85,21.68) 52.85,21.78 52.85,37.02 49.9,39.97 v1(46.98,39.97)
  POWER w0.6: v2(14.05,39.97) v1(46.98,39.97)
  BOTTOM w0.5: DSW2.1 47.34,39.61 v1(46.98,39.97)
  BOTTOM w0.7: v2(14.05,39.97) 12.4,39.97 11.68,40.69 F1.2
VMODEM_P: length 1.3
  TOP w0.3: J3.70 32,38.73 31.99,38.72
  vias: v2(32.51,38.1) v2(32.49,36.86)
VUSB: length 26.8
  TOP w0.2: J3.13 17.75,45.76 17.89,45.61 v1(17.89,44.52)
  TOP w0.8: v2(8.52,10.01) v2(6.5,10.01)
  BOTTOM w0.3: DS1.2 12.65,30.57 13.09,31.02 13.09,37.36 15.2,39.46 15.2,41.83 v1(17.89,44.52) ; C7.1 9.49,10.01 9.49,10.01
  BOTTOM w0.4: J4.1 6.1,10.9 6.5,10.5 6.5,10.01 v2(6.5,10.01)
  BOTTOM w0.6: v2(8.52,10.01) 9.49,10.01
N16884949: length 4.6
  TOP w0.3: v1(25.56,43.05) 25,42.49 J3.42
  BOTTOM w0.3: R9.2 v1(25.56,43.05)
N16884961: length 4.4
  TOP w0.3: v1(24.44,43.11) 24.5,43.05 J3.40
  BOTTOM w0.3: R7.2 v1(24.44,43.11)
N16931657: length 1.1
  BOTTOM w0.3: R12.2 R13.1
N16931659: length 1.1
  BOTTOM w0.3: R10.2 R11.1
N16931665: length 1.1
  BOTTOM w0.3: R8.2 R9.1
N16931667: length 1.1
  BOTTOM w0.3: R6.2 R7.1
N17053809: length 22.3
  TOP w0.3: v1(38.95,7.7) 38.95,16.12 37.67,17.39 v1(36.88,17.39)
  BOTTOM w0.3: TVS4.6 41.05,17.58 40.86,17.39 v1(36.88,17.39) 36.45,16.96 36.03,16.96 C6.1 36,18.21 35.6,18.61 R1.2 34.09,18.61 33.84,18.86 R4.1 ; J2.7 v1(38.95,7.7)
N17053813: length 26.9
  TOP w0.3: v1(36.41,4.57) 36.41,5.44 35.98,5.86 v1(35.98,16.06)
  BOTTOM w0.3: R2.2 31.12,17.33 31.45,17 C4.1 32.5,16.99 32.5,16.55 32.99,16.06 v1(35.98,16.06) 36.31,16.06 36.73,16.47 41.08,16.47 41.55,16.95 41.55,18.25 TVS4.5 ; J2.2 v1(36.41,4.57)
N17053836: length 20.6
  TOP w0.3: v1(38.84,4.54) 38.84,5.31 39.81,6.27 v1(39.81,18.43)
  BOTTOM w0.3: TVS4.1 40.25,19.86 39.81,19.43 v1(39.81,18.43) 38.41,18.43 C5.1 37.15,18.44 R3.2 ; J2.3 v1(38.84,4.54)
N17074702: length 29.8
  TOP w0.2: 20,42.69 J3.22
  TOP w0.3: 20,42.69 21.53,44.23 41.63,44.23 v1(41.64,44.23)
  BOTTOM w0.3: v1(41.64,44.23) 41.24,43.82 DSW1.1
N17100401: length 37.5
  TOP w0.3: v1(57.05,41.35) 57.05,41.97 56.47,42.54 v1(38,42.54) ; J3.54 28,40.9 v1(27.02,41.88)
  BOTTOM w0.3: v1(38,42.54) 38,41.24 37.32,40.57 27.61,40.57 27.02,41.15 v1(27.02,41.88) ; DSW3.1 57.05,39.63 v1(57.05,41.35)

## Copper pours and planes (outline as drawn; the poured copper is in the pictures)
GND on BOTTOM: 19.58,23.21 43.36,23.21 43.36,1 19.58,1 ; 7 cut-outs
GND on BOTTOM: 4.57,48.94 6.89,48.94 7.13,48.69 7.13,43.13 10.8,43.13 11.03,42.9 11.03,38.37 10.62,37.97 6.86,37.97 6.86,39.12 6.81,39.16 5.62,39.16 4.81,39.96 4.81,46.66 4.57,46.91
GND on GND: 1,53.5 1.59,54.91 3,55.5 58.52,55.5 58.52,49.48 64,49.48 64,6.5 58.45,6.5 58.45,1 6.49,1 6.49,6.57 1,6.57 1,18.5 4,18.5 5.41,19.09 6,20.5 6,35.5 5.41,36.91 4,37.5 1,37.5 ; 1 cut-out
GND on POWER: 3.1,16.9 3.1,6.58 12.69,6.58 12.69,16.9
USB_SHIELD on BOTTOM: 11.02,7.57 8.82,7.57 7.37,9.01 5.52,9.01 5.52,10.05 3.1,10.05 3.1,10.05 3.1,13.65 3.65,14.2 5.5,14.2 5.5,16.3 3.7,16.3 3.1,16.9 1.2,16.9 1.2,7.5 3.3,7.5 3.31,7.51 6.09,7.51 6.92,6.68 6.92,6.52 8.97,6.52 9.12,6.67 11.02,6.67
V+ on BOTTOM: 2.43,43.13 2.43,39.91 5.51,36.85 5.72,36.53 5.92,36.13 6,35.74 6.01,35.35 6.3,35.07 8.67,35.07 9.49,34.25 11.79,34.25 11.79,37.05 9.49,37.05 8.66,36.22 8.01,36.22 4.73,39.5 4.73,43.13
VIO on BOTTOM: 7.4,52.2 9.34,52.2 9.34,48.66 8.98,48.3 8.98,46.35 8.87,46.23 9.23,45.87 10.33,45.87 10.33,44.87 9.3,44.87 8.87,44.43 7.72,44.43 7.72,47.43 7.6,47.55 7.6,50.06 7.4,50.26
VIO_P on TOP: 15.65,39.2 15.65,40.75 13.4,40.75 13.24,40.59 13.24,39.38 13.41,39.2
VMODEM on BOTTOM: 14.19,37.05 29.68,37.05 31.16,35.57 31.16,29.29 29.63,27.76 17,27.76 17,25.46 14.2,25.46 14.19,25.47
VMODEM_P on TOP: 33.15,40.75 33.15,36.37 32.92,36.14 32.08,36.14 31.85,36.37 31.85,40.75
VMODEM_P on BOTTOM: 32.16,34.57 32.86,34.57 32.86,35.57 33.15,35.86 33.15,38.63 32.99,38.8 32.02,38.8 31.85,38.63 31.85,35.89 32.16,35.57
VUSB on BOTTOM: 10.09,10.97 10.09,9.7 9.49,9.7 9.49,31.97 11.79,31.97 11.79,12.67

## Text on the board
BOTTOM: 20173047_V4
Ref Des/Silkscreen Bottom: ON | OFF | ACTIVE | GPS | SERIAL | TXRX | ATTN
Ref Des/Silkscreen Top: 1.1 | SDA | SCL | NOTECARRIER-PI
XSECTION_CHART: 1 | *  SURFACE - AIR 0 MM | * SOLDERMASK_TOP MASK - SOLDERMASK 0.02 MM | L1 TOP CONDUCTOR - COPPER 0.035 MM | *  DIELECTRIC - FR-4 0.2 MM | L2 GND PLANE - COPPER 0.035 MM | *  DIELECTRIC - FR-4 1 MM | L3 POWER PLANE - COPPER 0.035 MM | L4 BOTTOM CONDUCTOR - COPPER 0.035 MM | * SOLDERMASK_BOTTOM MASK - SOLDERMASK 0.02 MM | DESIGN CROSS SECTION CHART | ___________________________ | TOTAL THICKNESS 1.58 MM | 1-4
PAGE_OUTLINE: Copyright (c) 2020 Blues Inc | Blues Inc
User.11: FIGURE | FINISHED SIZE | 0.254 | 0.5 | 1.02 | 3.7 | 1.1 | 1.6 | 2.7 | ALL UNITS ARE IN MILLIMETERS | TOLERANCE | +0.075/-0.075 | +0.08/-0.08 | +0.1/-0.1 | TYPE | PLATED | NON-PLATED | QTY | 84 | 16 | 39 | 1 | 4 | DRILL CHART: TOP to BOTTOM
User.12: PUT PCB DATA/LOGO/CODE | ON BOTTOM LAYER | IN THIS AREA
User.21: TP21 | TP16 | TP23 | TP13 | TP11 | TP22 | TP24 | TP18 | TP15 | TP14 | TP17 | TP25 | TP8 | TP26 | TP10 | TP39 | TP20 | TP38 | TP9 | TP12 | TP19 | TP28 | TP1 | TP29 | TP2 | TP3 | TP30 | TP31 | TP7 | TP4 | TP32 | TP5 | TP33 | TP6 | TP34 | TP35
User.34: NOTES: | 2) Scale 1:1 | 1) All Dimensions are in millimeters
